# Altium PCB VNA_BASE_AF2P-5.PcbDoc (part 1 of 3)
Units mil, origin at the board's own origin, x right, y up, seen from the top; angles counter-clockwise.
Board outline 5118.11 x 2952.76 mil, 4 copper layers (Top Layer, GND, Signal Layer 1, Bottom Layer), stack 30.634 mil thick; 383 components, 339 nets, 1503 pads, 958 vias.
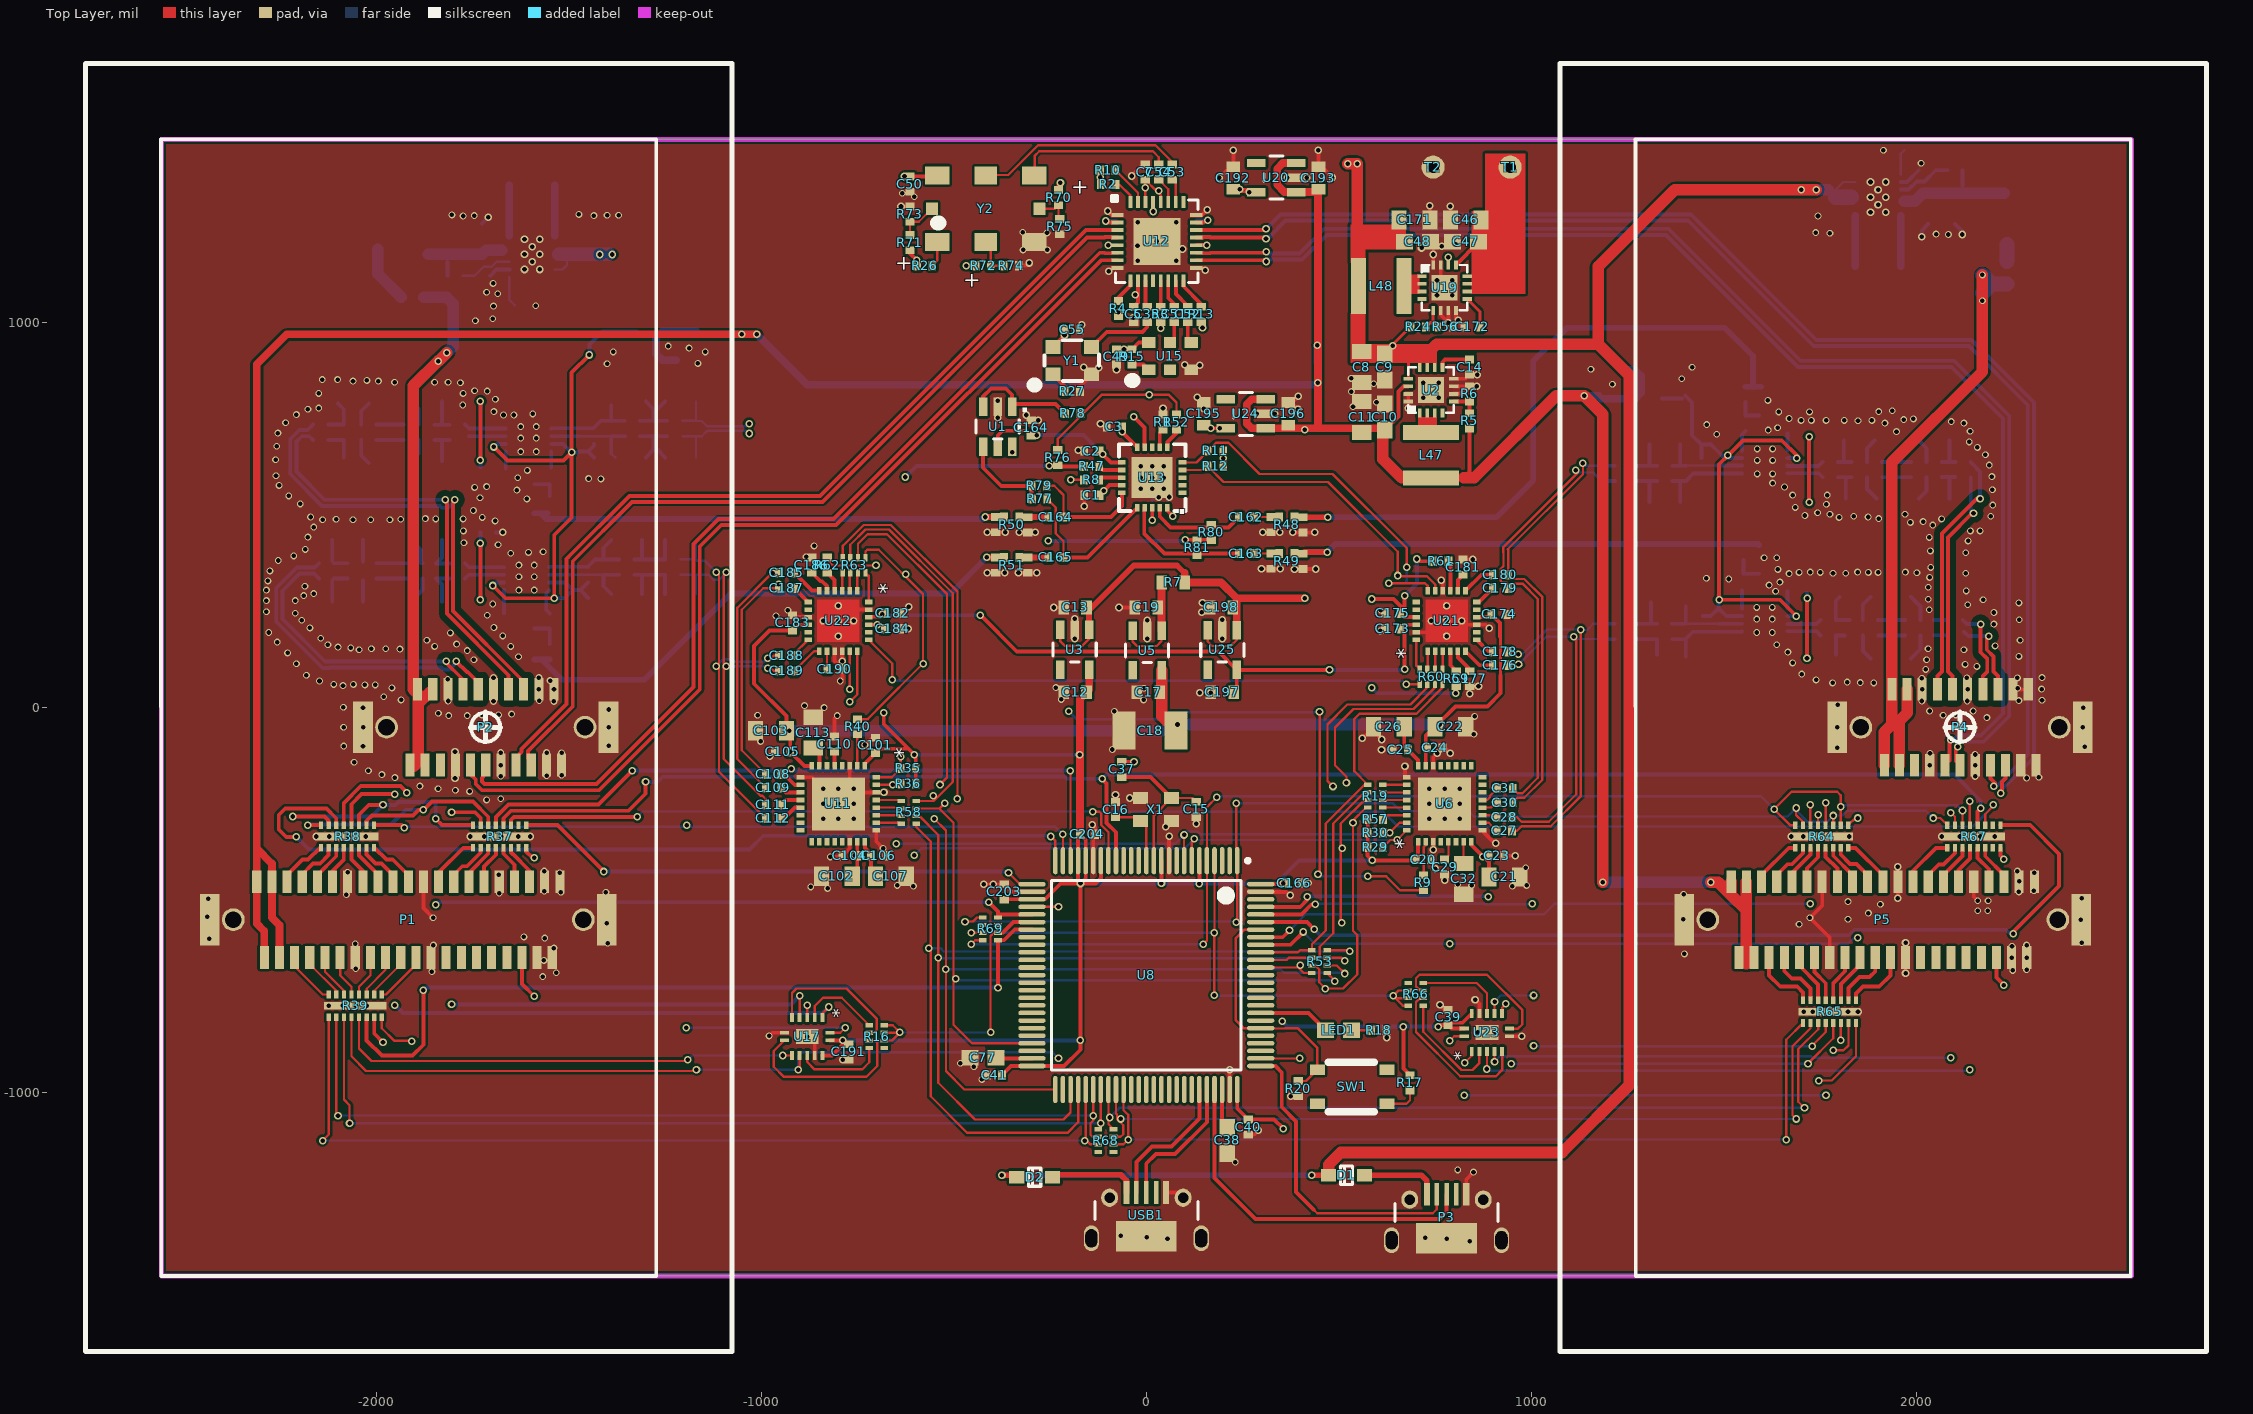
[diagram p0: Top Layer view]
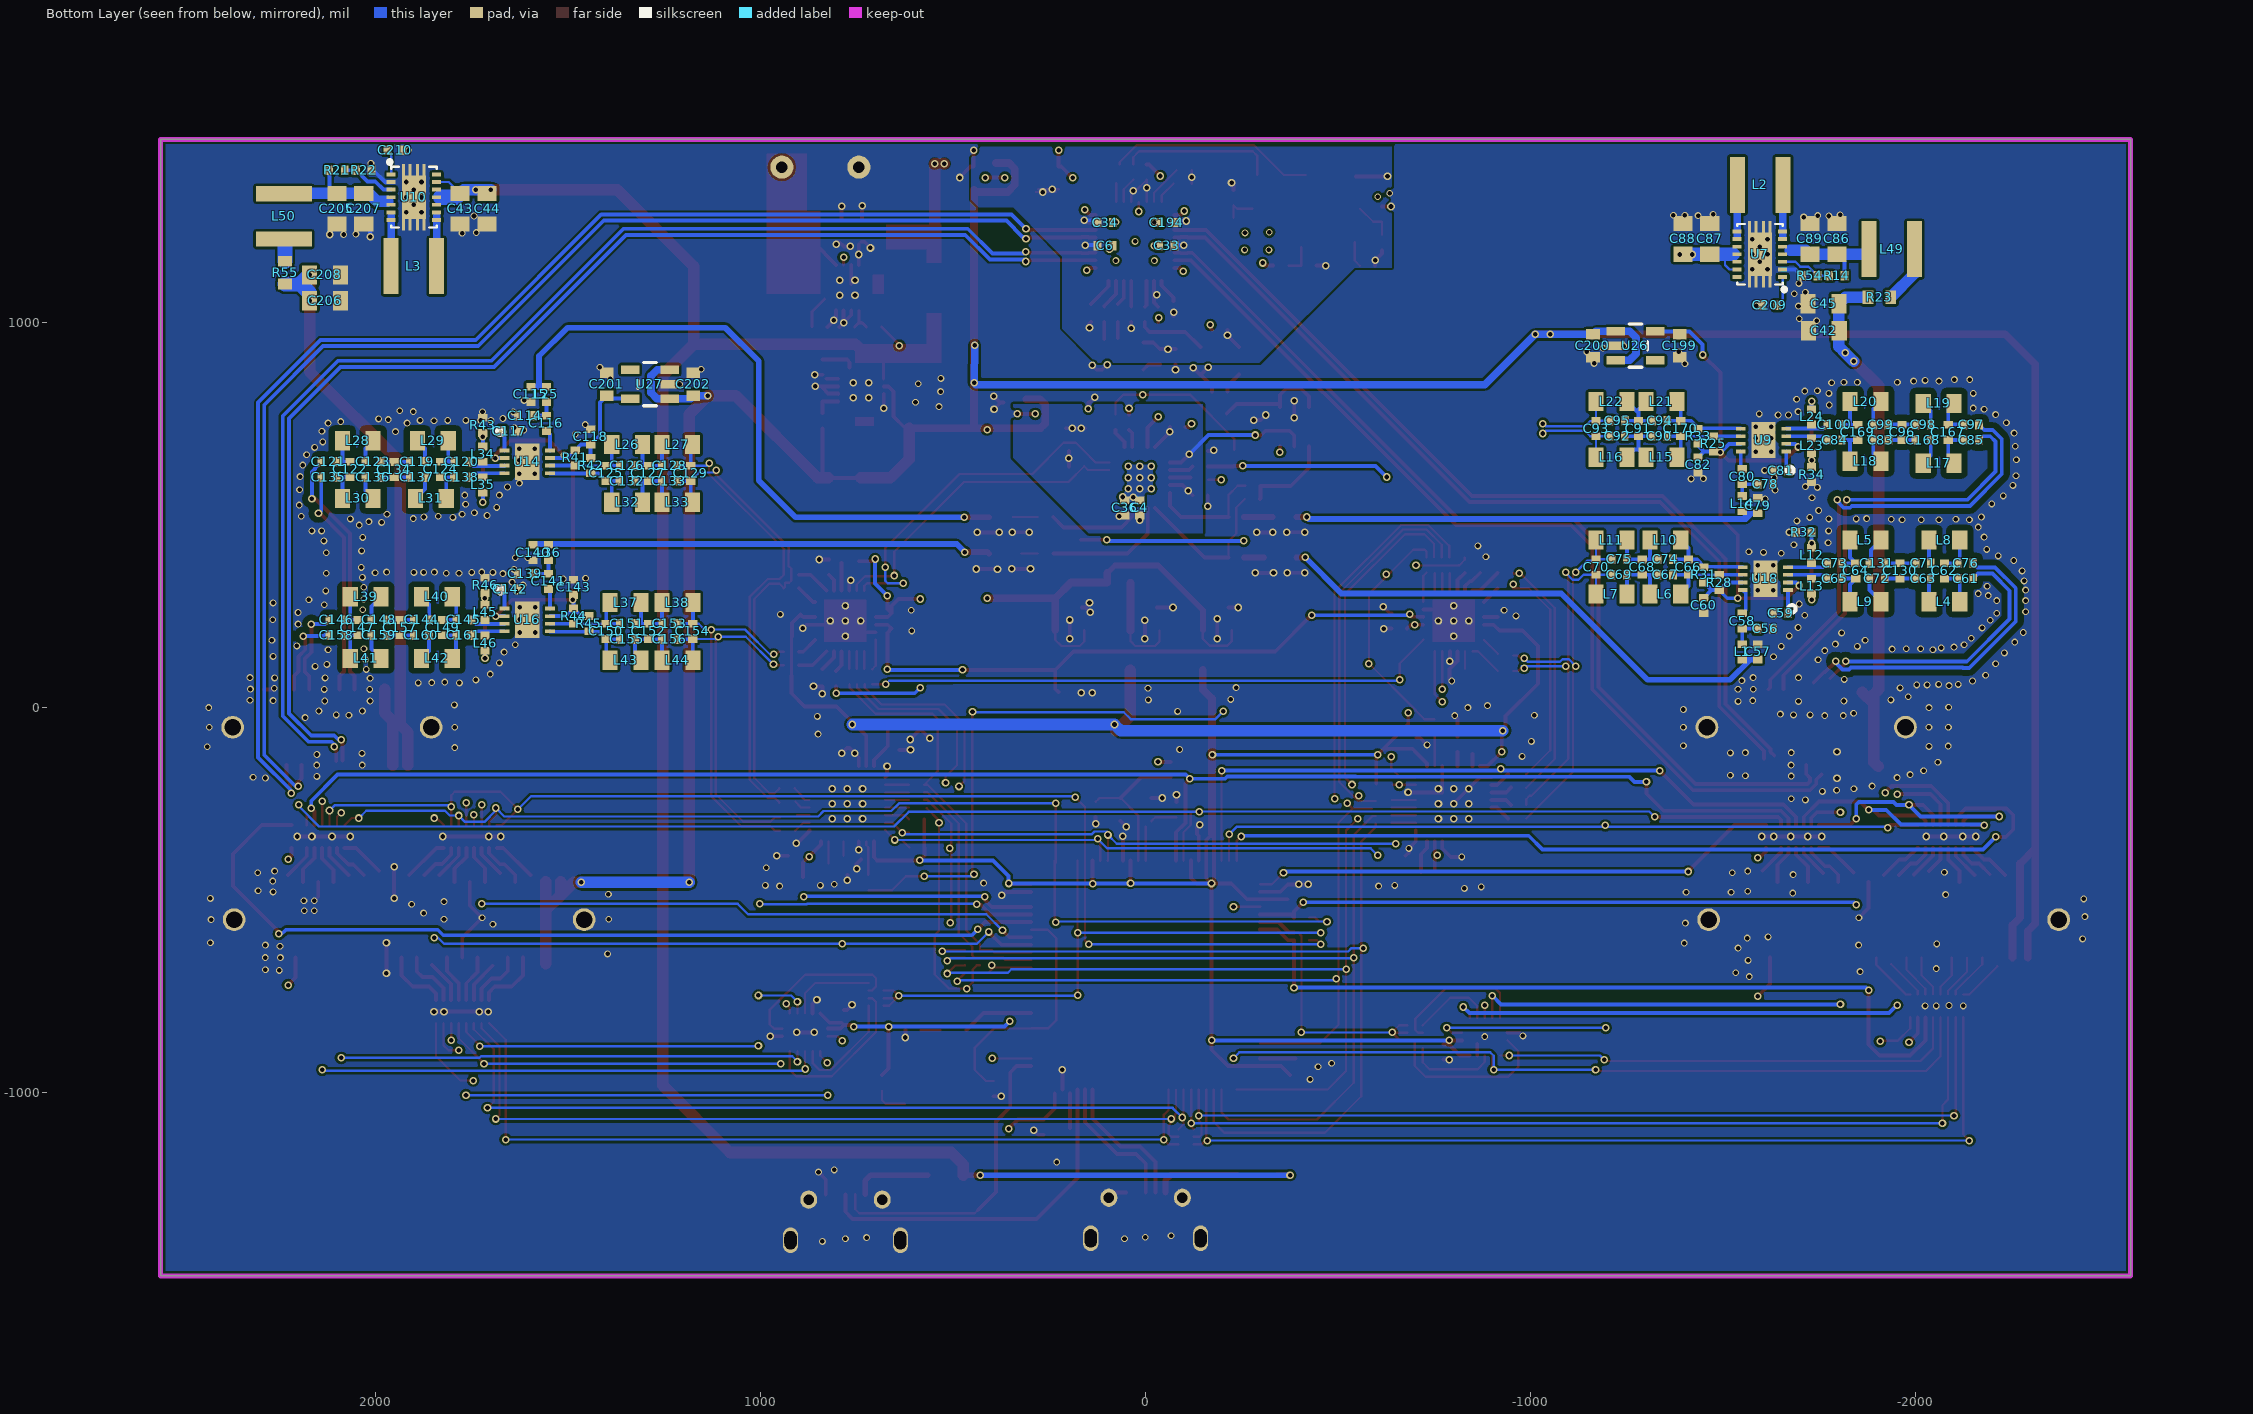
[diagram p1: Bottom Layer view, seen from below]
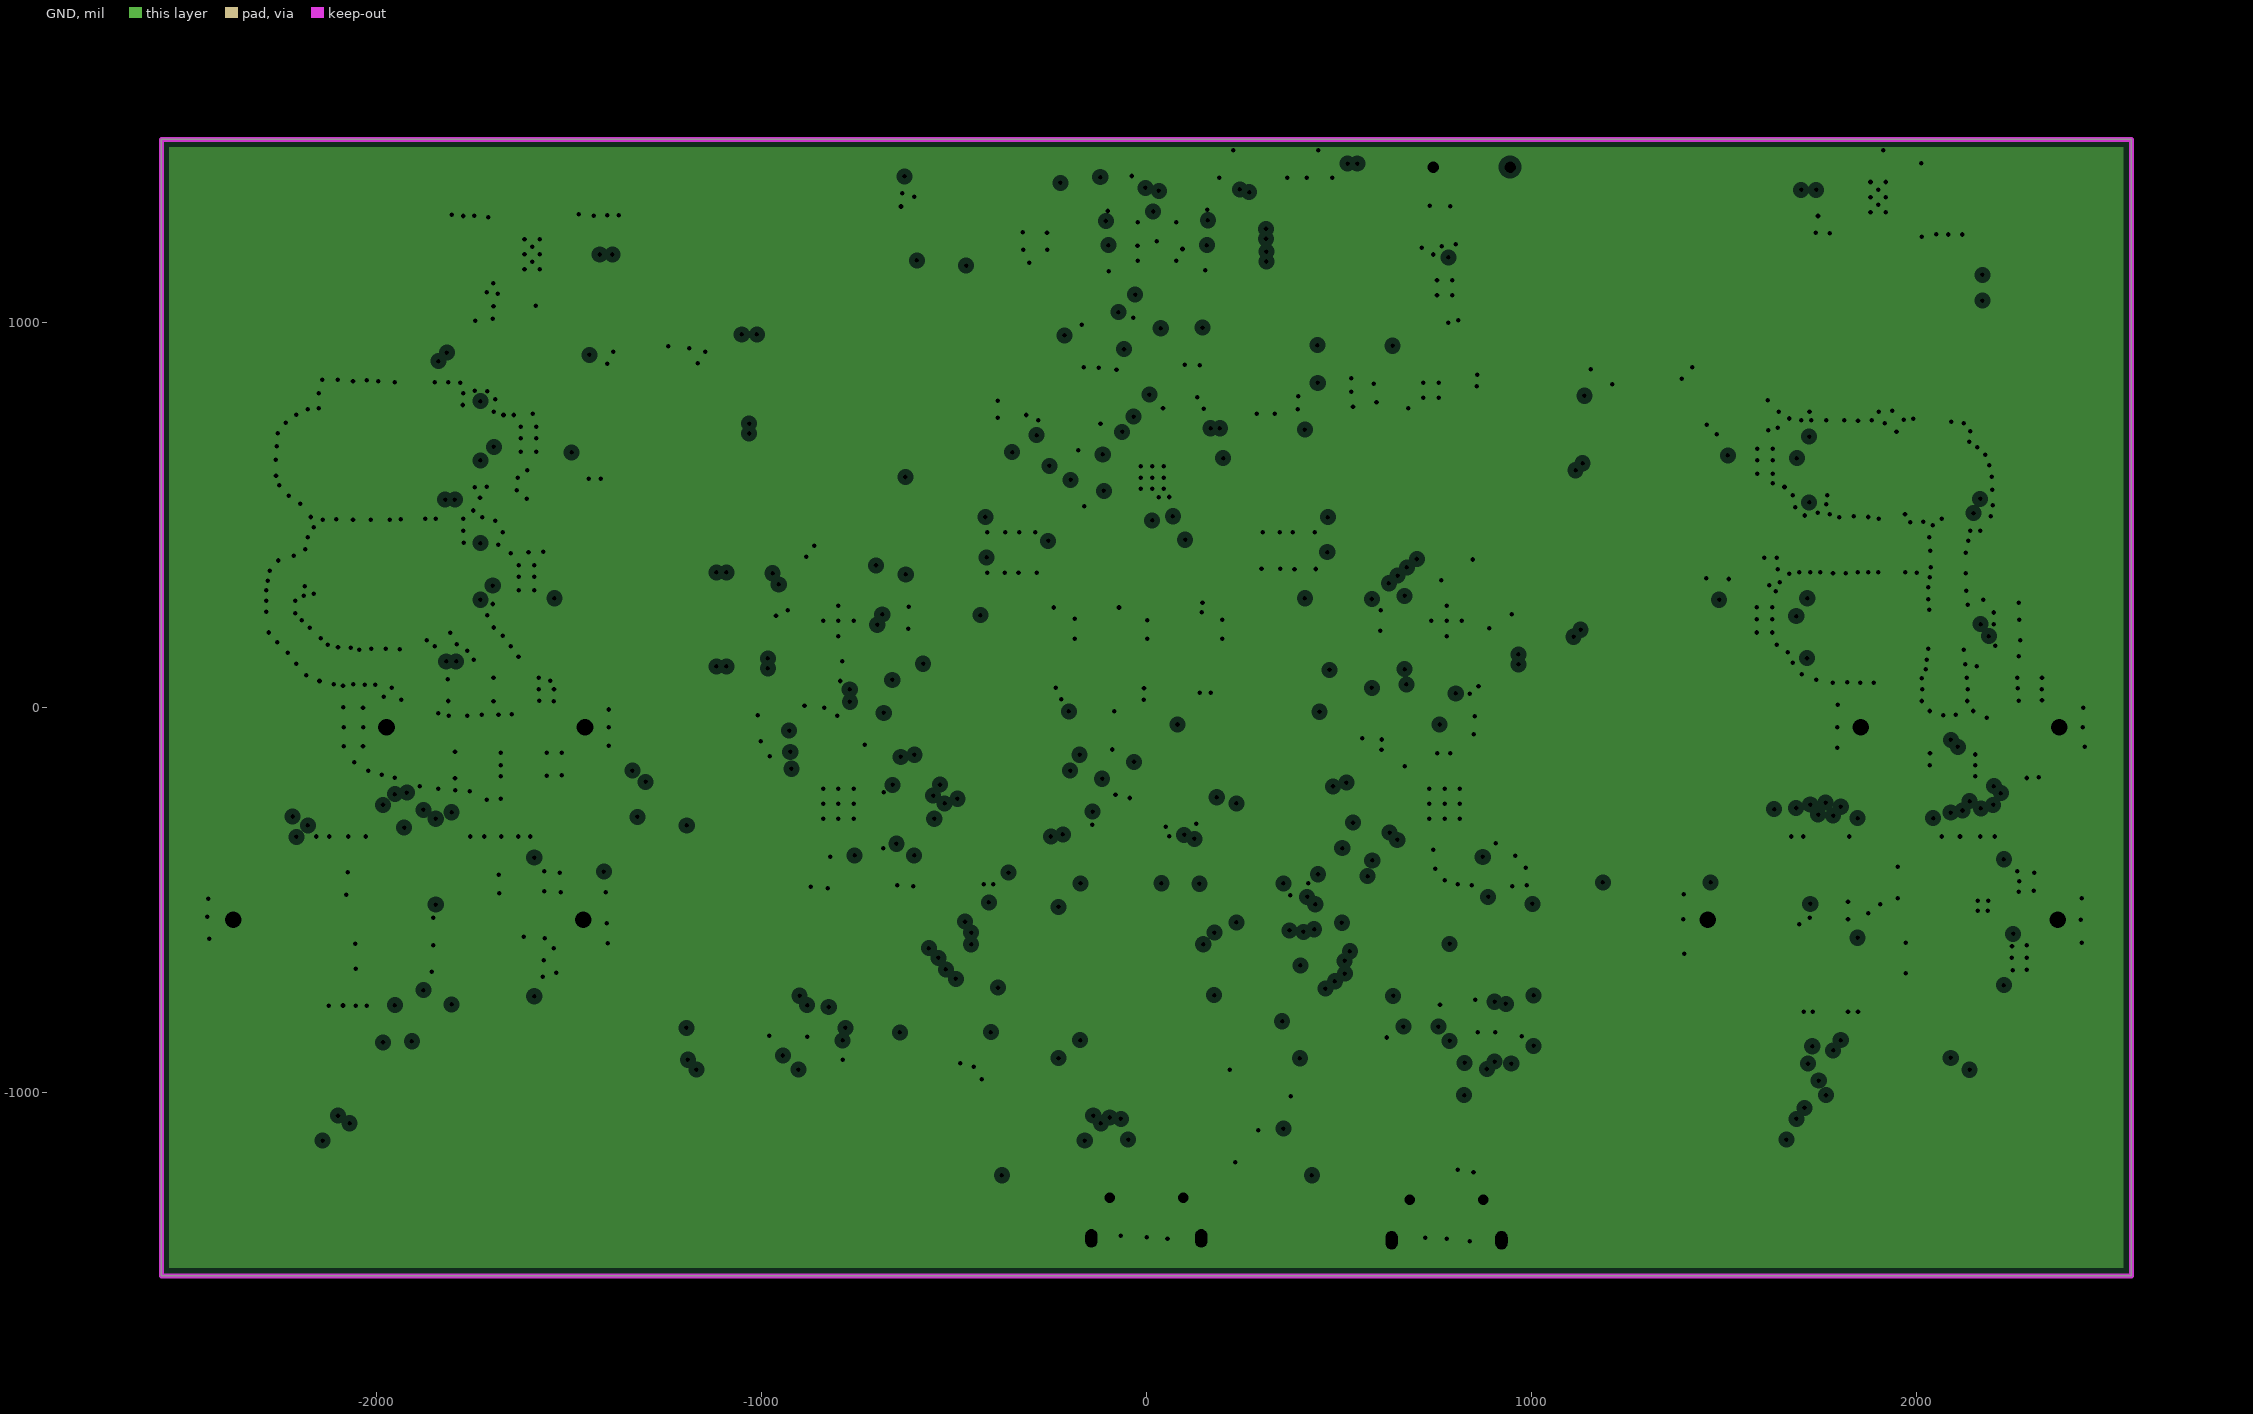
[diagram p2: GND, clearances drawn from the general rule]
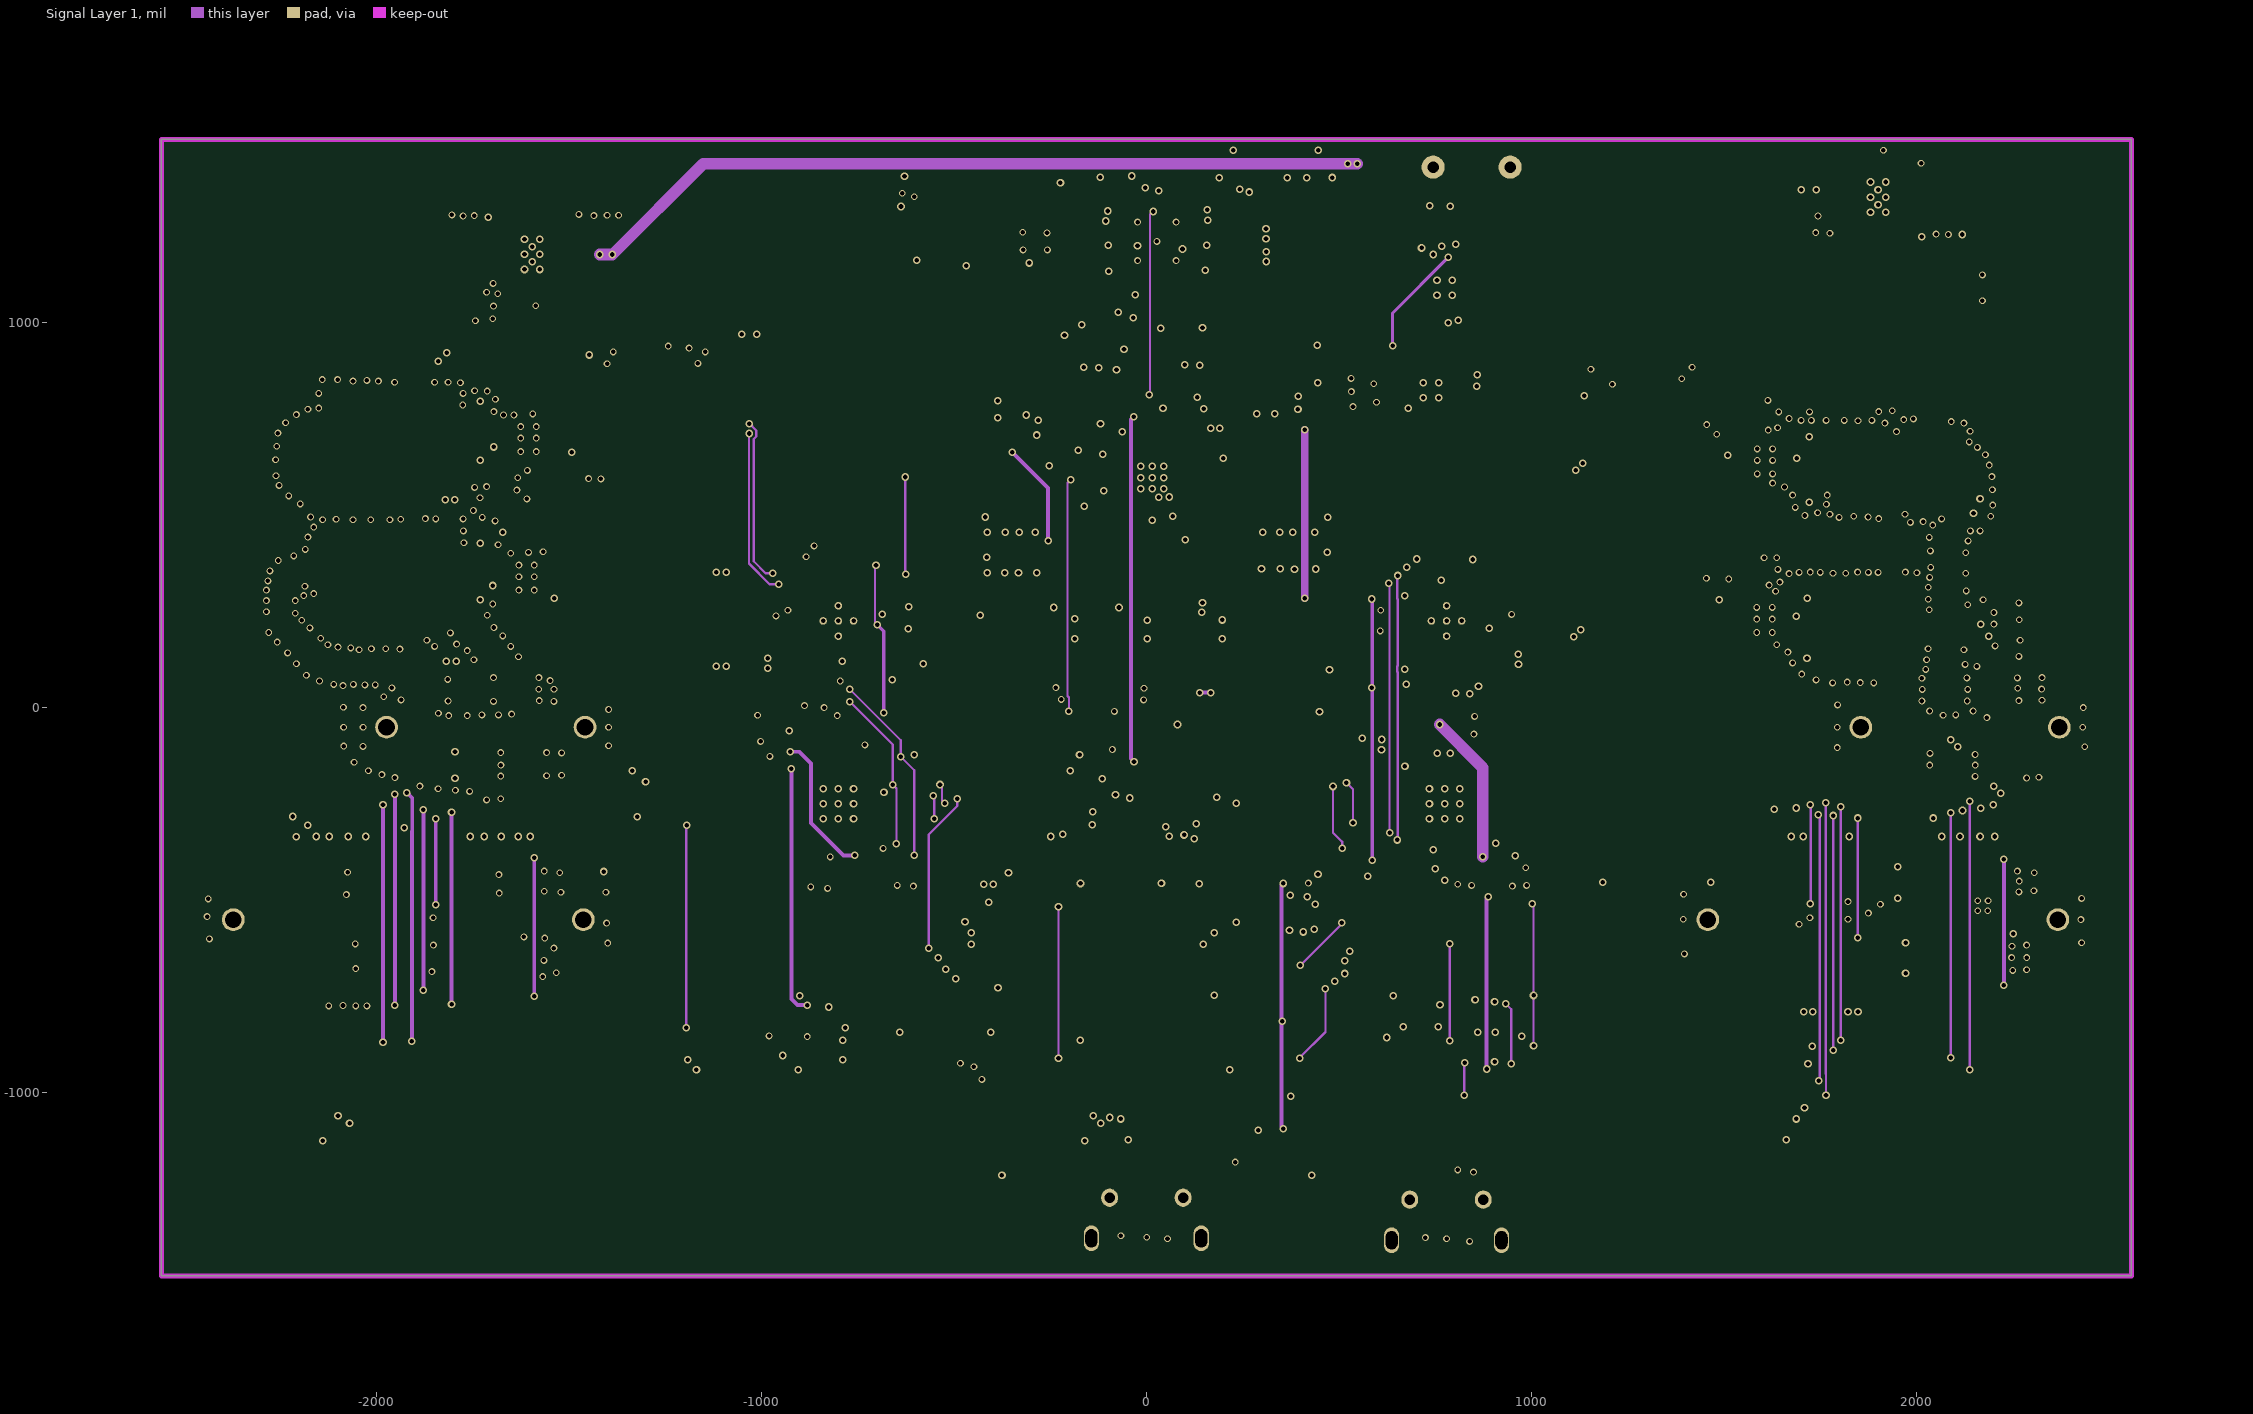
[diagram p3: Signal Layer 1]

## Layer stack, top to bottom
Top Solder: solder mask 0.4, Solder Resist, Dk 3.8
Top Layer: signal copper 1.4
Dielectric 1: core 10, Dk 4.2
GND: plane copper 1.417, net GND
Dielectric 3: core 10, Dk 4.2
Signal Layer 1: signal copper 1.417
Dielectric 4: prepreg 5, Dk 4.2
Bottom Layer: signal copper 1.4
Bottom Solder: solder mask 0.4, Solder Resist, Dk 3.8

## Board outline
-2559.06,-1476.38 -2559.06,1476.38 2559.06,1476.38 2559.06,-1476.38

## Design rules (kind name [scope] priority, off if disabled: settings)
Clearance 50R [InNetClass('50R') vs InPolygon] p1: gap=15 ignorepadtopadclearanceinfootprint=FALSE
Clearance [All] p2: gap=6 ignorepadtopadclearanceinfootprint=FALSE except(0: Arc-Hole Track-Hole SMDPad-Hole THPad-Hole Via-Hole Fill-Hole Poly-Hole Region-Hole Text-Hole)
DiffPairsRouting [All] p1: maxlimit=10 minlimit=6 mostfreqgap=6 toplayer_minwidth=6 toplayer_maxwidth=15 toplayer_prefwidth=15 midlayer1_minwidth=6 midlayer1_maxwidth=15 midlayer1_prefwidth=15 bottomlayer_minwidth=6 bottomlayer_maxwidth=15 bottomlayer_prefwidth=15 maxuncoupledlength=500
MinimumSolderMaskSliver [All] p1 off: minsoldermaskwidth=10
PlaneClearance [All] p1: clearance=15
PlaneConnect [All] p1: planeconnectstyle=Direct reliefexpansion=20 reliefentries=4 reliefconductorwidth=10 reliefairgap=10
PolygonConnect [All] p1: connectstyle=Direct reliefconductorwidth=10 reliefentries=4 polygonreliefangle="90 Angle" airgapwidth=10
RoomDefinition connectorB [InComponentClass('connectorB')] p1 off: confinementstyle=ConfineIn formatcopy=TRUE lockcomponents=FALSE outline 919.94,-1740.38 2844.94,-1740.38 2844.94,1828.62 919.94,1828.62
RoomDefinition downmixersA [InComponentClass('downmixersA')] p2 off: confinementstyle=ConfineIn formatcopy=TRUE lockcomponents=FALSE outline -50,856.62 -1070,856.62 -1070,160 -50,160
RoomDefinition AudioADCB [InComponentClass('AudioADCB')] p3 off: confinementstyle=ConfineIn formatcopy=TRUE lockcomponents=FALSE outline 1042.94,200 50,200 50,-350 1042.94,-350
RoomDefinition downmixersB [InComponentClass('downmixersB')] p4 off: confinementstyle=ConfineIn formatcopy=TRUE lockcomponents=FALSE outline 50,150 1070,150 1070,860 50,860
RoomDefinition connectorA [InComponentClass('connectorA')] p5 off: confinementstyle=ConfineIn formatcopy=TRUE lockcomponents=FALSE outline -2851.06,-1690.38 -861.06,-1690.38 -861.06,1788.62 -2851.06,1788.62
RoomDefinition AudioADCA [InComponentClass('AudioADCA')] p6 off: confinementstyle=ConfineIn formatcopy=TRUE lockcomponents=FALSE outline -1070,-380 -50,-380 -50,190 -1070,190
RoomDefinition clock [InComponentClass('clock')] p7 off: confinementstyle=ConfineIn formatcopy=TRUE lockcomponents=FALSE outline -1127.06,436.62 1161.94,436.62 1161.94,1182.62 -1127.06,1182.62
RoomDefinition MCU [InComponentClass('MCU')] p8 off: confinementstyle=ConfineIn formatcopy=TRUE lockcomponents=FALSE outline -951.06,-1430.38 1067.94,-1430.38 1067.94,-400 -951.06,-400
RoomDefinition power [InComponentClass('power')] p9 off: confinementstyle=ConfineIn formatcopy=TRUE lockcomponents=FALSE outline -1070,1010 1060,1010 1060,1568.62 -1070,1568.62
RoutingVias [All] p1: holewidth=12 width=20 viastyle="Through Hole" minholewidth=11.81 minwidth=19.68 maxholewidth=28 maxwidth=50
SilkToBoardRegionClearance [All] p1 off:
SilkToSilkClearance [All] p1 off: silktosilkclearance=10
SilkToSolderMaskClearance [IsPad] p1 off: minsilkscreentomaskgap=10 clearancetoexposedcopper=TRUE
SolderMaskExpansion [All] p1: expansion=4
Width [All] p1: maxlimit=60 minlimit=6 preferedwidth=6
23 further rules are at their usual default settings.

## Classes and differential pairs
component class connectorB: C191 P4 P5 R64 R65 R66 R67 U23
component class AudioADCA: C101 C102 C103 C104 C105 C106 C107 C108 C109 C110 C111 C112 C113 C182 C183 C184 C185 C186 C187 C188 C189 C190 R35 R36 R40 R58 R62 R63 U11 U22
component class power: C8 C9 C10 C11 C12 C13 C14 C17 C18 C19 C42 C43 C44 C45 C46 C47 C48 C86 C87 C88 C89 C171 C172 C192 C193 C195 C196 C197 C198 C199 C200 C201 C202 C205 C206 C207 C208 C209 C210 L2 L3 L47 L48 L49 L50 R5 R6 R7 R14 R21 R22 R23 R24 R54 R55 R56 T1 T2 U2 U3 U5 U7 U10 U19 U20 U24 U25 U26 U27
component class clock: C1 C2 C3 C4 C5 C6 C7 C33 C34 C35 C36 C49 C50 C51 C52 C53 C54 C55 C162 C163 C164 C165 C194 R1 R2 R3 R4 R8 R10 R11 R12 R13 R15 R26 R27 R47 R48 R49 R50 R51 R52 R70 R71 R72 R73 R74 R75 R76 R77 R78 R79 R80 R81 U1 U12 U13 U15 Y1 Y2
component class connectorA: C39 P1 P2 R16 R37 R38 R39 U17
component class MCU: C15 C16 C37 C38 C40 C41 C77 C166 C203 C204 D1 D2 LED1 P3 R17 R18 R20 R53 R68 R69 SW1 U8 USB1 X1
component class downmixersA: C56 C57 C58 C59 C60 C61 C62 C63 C64 C65 C66 C67 C68 C69 C70 C71 C72 C73 C74 C75 C76 C78 C79 C80 C81 C82 C83 C84 C85 C90 C91 C92 C93 C94 C95 C96 C97 C98 C99 C100 C130 C131 C167 C168 C169 C170 L1 L4 L5 L6 L7 L8 L9 L10 L11 L12 L13 L14 L15 L16 L17 L18 L19 L20 L21 L22 L23 L24 R25 R28 R31 R32 R33 R34 U9 U18
net class 50R: NetC61_2 NetC62_1 NetC63_1 NetC63_2 NetC64_1 NetC64_2 NetC65_2 NetC71_1 NetC71_2 NetC72_2 NetC73_1 NetC83_1 NetC83_2 NetC84_1 NetC84_2 NetC85_2 NetC96_2 NetC97_2 NetC98_1 NetC99_1 NetC100_1 NetC100_2 NetC119_1 NetC119_2 NetC120_1 NetC120_2 NetC121_2 NetC122_1 NetC123_1 NetC124_1 NetC131_1 NetC134_2 NetC136_1 NetC137_1 NetC138_1 NetC144_1 NetC144_2 NetC145_1 NetC145_2 NetC146_2 NetC147_1 NetC148_1 NetC149_1 NetC157_2 NetC159_1 NetC160_1 NetC161_1 NetC168_1 R1_N R1_P R2_N R2_P RE1_N RE1_P RE2_N RE2_P
component class AudioADCB: C20 C21 C22 C23 C24 C25 C26 C27 C28 C29 C30 C31 C32 C173 C174 C175 C176 C177 C178 C179 C180 C181 R9 R19 R29 R30 R57 R59 R60 R61 U6 U21
component class downmixersB: C114 C115 C116 C117 C118 C119 C120 C121 C122 C123 C124 C125 C126 C127 C128 C129 C132 C133 C134 C135 C136 C137 C138 C139 C140 C141 C142 C143 C144 C145 C146 C147 C148 C149 C150 C151 C152 C153 C154 C155 C156 C157 C158 C159 C160 C161 L25 L26 L27 L28 L29 L30 L31 L32 L33 L34 L35 L36 L37 L38 L39 L40 L41 L42 L43 L44 L45 L46 R41 R42 R43 R44 R45 R46 U14 U16
differential pair RE2: +RE2_P -RE2_N
differential pair RE1: +RE1_P -RE1_N
differential pair R2: +R2_P -R2_N
differential pair R1: +R1_P -R1_N
differential pair REF2: +REF2_P -REF2_N
differential pair REFLECT2: +REFLECT2_P -REFLECT2_N
differential pair REF1: +REF1_P -REF1_N
differential pair REFLECT1: +REFLECT1_P -REFLECT1_N
differential pair LO_REF_1: +LO_REF_1_P -LO_REF_1_N
differential pair LO_REF_2: +LO_REF_2_P -LO_REF_2_N
differential pair SOURCE_REF_1: +SOURCE_REF_1_P -SOURCE_REF_1_N
differential pair SOURCE_REF_2: +SOURCE_REF_2_P -SOURCE_REF_2_N
